# KiCad board HCP65 Single MPU Board.kicad_pcb
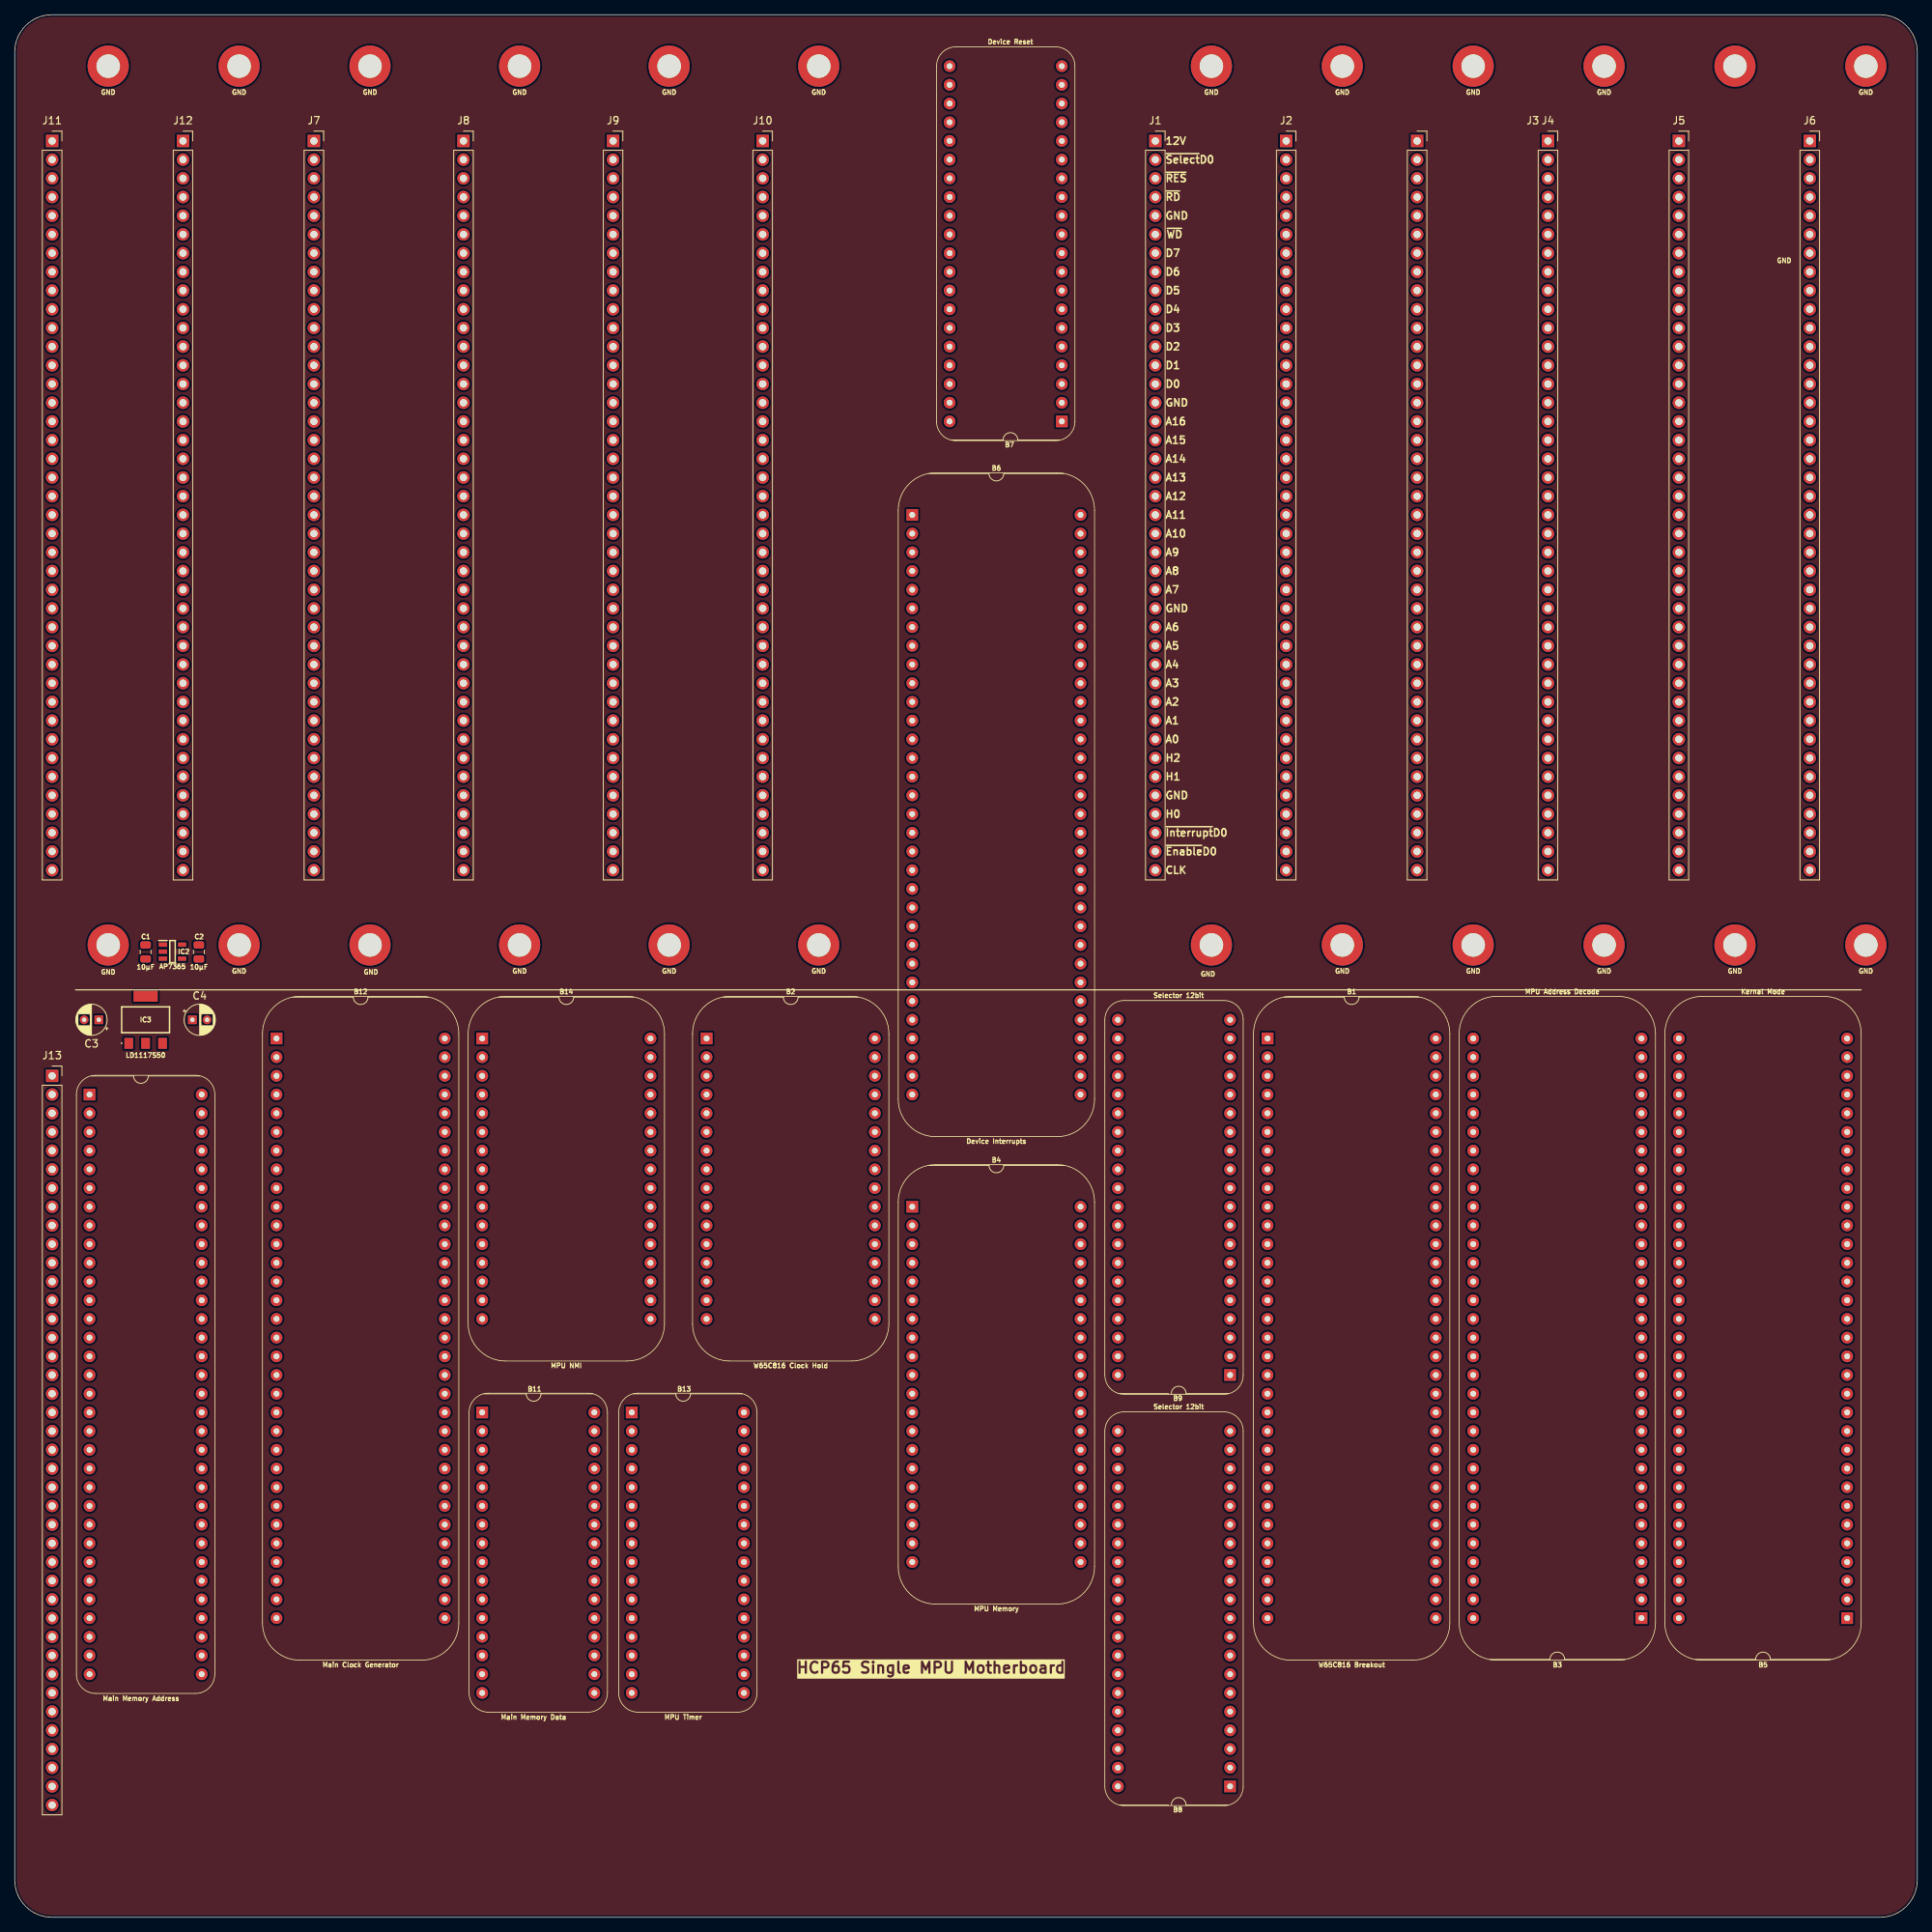
[diagram p0: board, top side]
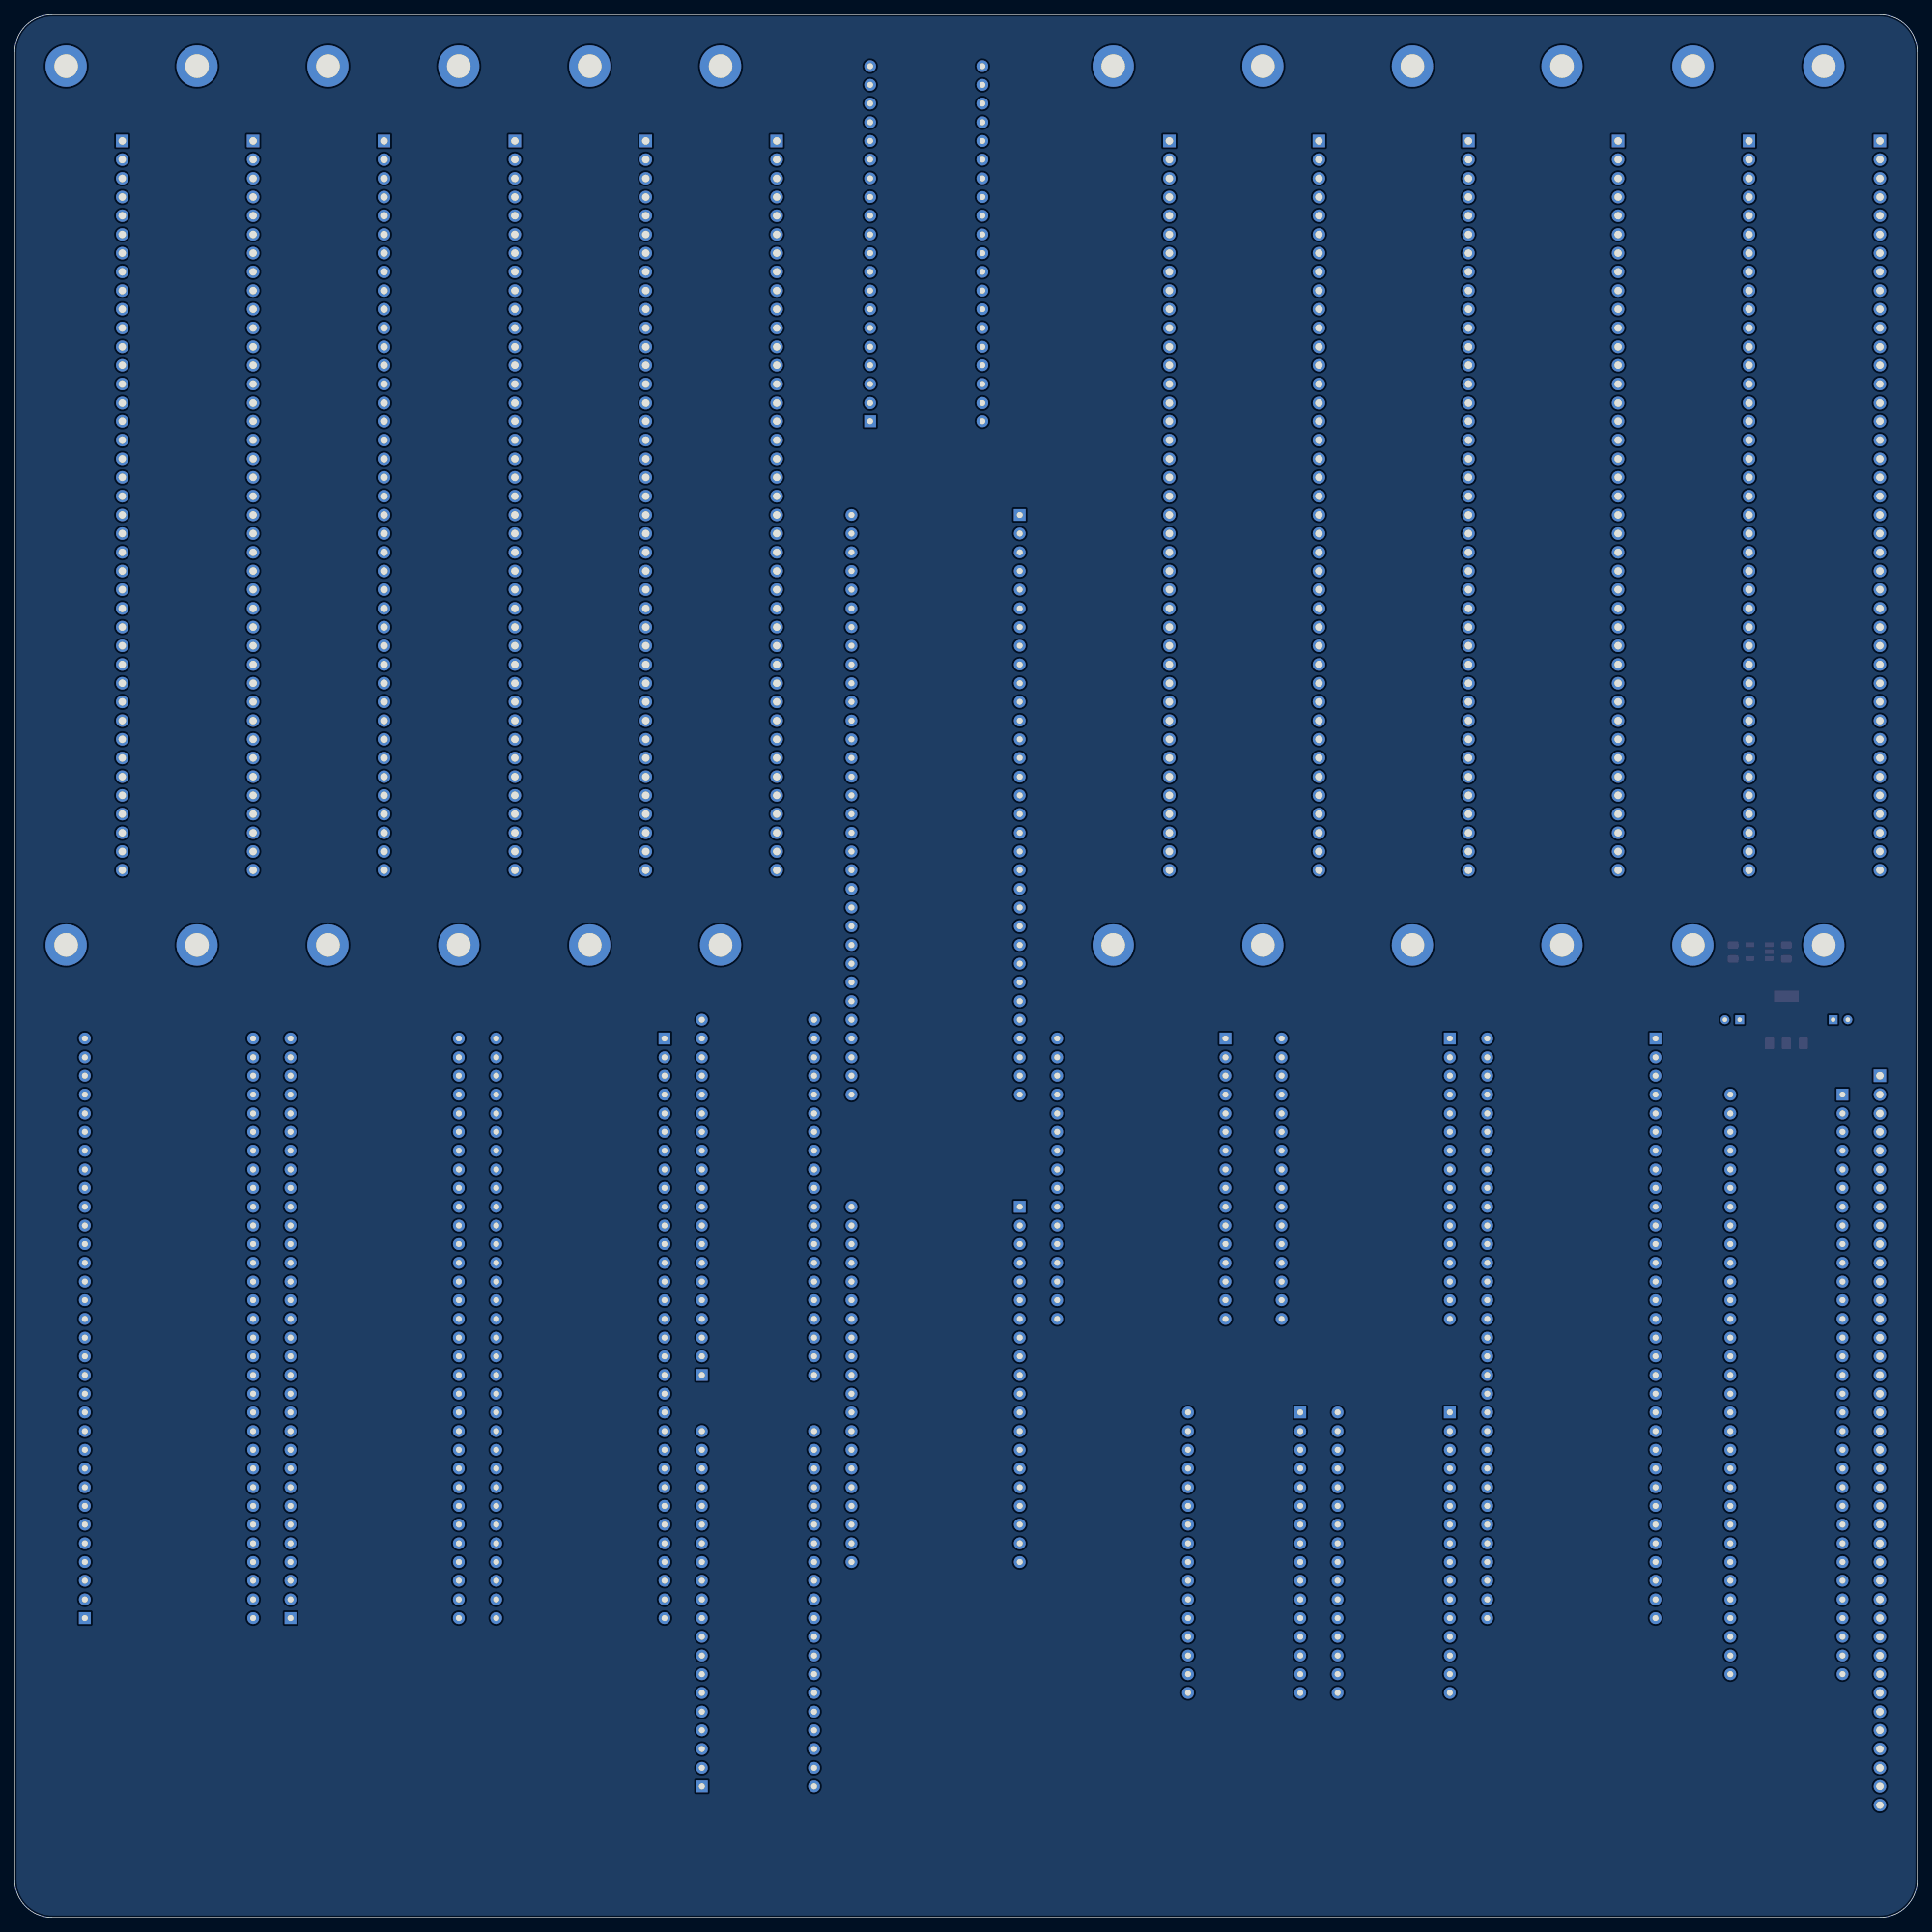
[diagram p1: board, bottom side, seen from below]

Outline 258.44 x 258.44 mm; copper layers: Top, Bottom. Coordinates in mm from the lower left corner of the outline.
Outline path: 0,253.37 arc(1.49,256.96) 5.08,258.44 253.37,258.44 arc(256.96,256.96) 258.44,253.37 258.44,5.08 arc(256.96,1.49) 253.37,0 5.08,0 arc(1.49,1.49) 0,5.08 0,253.37
Stack: Top 0.035mm / dielectric 1.51mm FR4 er 4.5 / Bottom 0.035mm

## Placement (name value [footprint] x y rotation side)
B1  W65C816 Breakout  [HCP65_W65C816_Breakout]  170.18 119.38 0 top
B2  W65C816 Clock Hold  [HCP65_W65C816_Clock_Hold]  93.98 119.38 0 top
B3  MPU Address Decode  [HCP65_MPU_Address_Decode]  220.98 40.64 180 top
B4  MPU Memory  [HCP65_MPU_Memory]  121.92 96.52 0 top
B5  Kernal Mode  [HCP65_Kernal_Mode]  248.92 40.64 180 top
B6  Device Interrupts  [HCP65_Device_Interrupts]  121.92 190.5 0 top
B7  Device Reset  [HCP65_Device_Reset]  142.24 203.2 180 top
B8  Selector 12bit  [HCP65_Selector_12bit]  165.1 17.78 180 top
B9  Selector 12bit  [HCP65_Selector_12bit]  165.1 73.66 180 top
B10  Main Memory Address  [HCP65_Main_Memory_Address]  10.16 111.76 0 top
B11  Main Memory Data  [HCP65_Main_Memory_Data]  63.5 68.58 0 top
B12  Main Clock Generator  [HCP65_Clock_Generator]  35.56 119.38 0 top
B13  MPU Timer  [HCP65_MPU_Timer]  83.82 68.58 0 top
B14  MPU NMI  [HCP65_MPU_NMI]  63.5 119.38 0 top
C1  10µF  [C_0805]  17.78 131.11 0 top
C2  10µF  [C_0805]  25.02 131.11 0 top
C3  C_Polarized  [CP_Radial_D4.0mm_P2.00mm]  11.43 121.92 180 top
C4  C_Polarized  [CP_Radial_D4.0mm_P2.00mm]  24.13 121.92 0 top
H1  MountingHole_Pad  [HCP65_MountingHole_M3_]  12.7 251.46 0 top
H2  MountingHole_Pad  [HCP65_MountingHole_M3_]  12.7 132.08 0 top
H3  MountingHole_Pad  [HCP65_MountingHole_M3_]  30.48 132.08 0 top
H4  MountingHole_Pad  [HCP65_MountingHole_M3_]  30.48 251.46 0 top
H5  MountingHole_Pad  [HCP65_MountingHole_M3_]  48.26 251.46 0 top
H6  MountingHole_Pad  [HCP65_MountingHole_M3_]  48.26 132.08 0 top
H7  MountingHole_Pad  [HCP65_MountingHole_M3_]  68.58 251.46 0 top
H8  MountingHole_Pad  [HCP65_MountingHole_M3_]  162.56 251.46 0 top
H9  MountingHole_Pad  [HCP65_MountingHole_M3_]  198.12 251.46 0 top
H10  MountingHole_Pad  [HCP65_MountingHole_M3_]  215.9 251.46 0 top
H11  MountingHole_Pad  [HCP65_MountingHole_M3_]  233.68 251.46 0 top
H12  MountingHole_Pad  [HCP65_MountingHole_M3_]  180.34 251.46 0 top
H13  MountingHole_Pad  [HCP65_MountingHole_M3_]  88.9 251.46 0 top
H14  MountingHole_Pad  [HCP65_MountingHole_M3_]  251.46 132.08 0 top
H15  MountingHole_Pad  [HCP65_MountingHole_M3_]  215.9 132.08 0 top
H16  MountingHole_Pad  [HCP65_MountingHole_M3_]  180.34 132.08 0 top
H17  MountingHole_Pad  [HCP65_MountingHole_M3_]  162.56 132.08 0 top
H18  MountingHole_Pad  [HCP65_MountingHole_M3_]  251.46 251.46 0 top
H19  MountingHole_Pad  [HCP65_MountingHole_M3_]  109.22 251.46 0 top
H20  MountingHole_Pad  [HCP65_MountingHole_M3_]  233.68 132.08 0 top
H21  MountingHole_Pad  [HCP65_MountingHole_M3_]  198.12 132.08 0 top
H22  MountingHole_Pad  [HCP65_MountingHole_M3_]  68.58 132.08 0 top
H23  MountingHole_Pad  [HCP65_MountingHole_M3_]  88.9 132.08 0 top
H24  MountingHole_Pad  [HCP65_MountingHole_M3_]  109.22 132.08 0 top
IC2  AP7365-33WG-7  [SOT95P285X130-5N]  21.43 131.18 0 top
IC3  LD1117S50C  [LD1117S33C]  17.78 121.92 0 top
J1  Conn_01x40_Socket  [PinSocket_1x40_P2.54mm_Vertical]  154.94 241.3 0 top
J2  Conn_01x40_Socket  [PinSocket_1x40_P2.54mm_Vertical]  172.72 241.3 0 top
J3  Conn_01x40_Socket  [PinSocket_1x40_P2.54mm_Vertical]  190.5 241.3 0 top
J4  Conn_01x40_Socket  [PinSocket_1x40_P2.54mm_Vertical]  208.28 241.3 0 top
J5  Conn_01x40_Socket  [PinSocket_1x40_P2.54mm_Vertical]  226.06 241.3 0 top
J6  Conn_01x40_Socket  [PinSocket_1x40_P2.54mm_Vertical]  243.84 241.3 0 top
J7  Conn_01x40_Socket  [PinSocket_1x40_P2.54mm_Vertical]  40.64 241.3 0 top
J8  Conn_01x40_Socket  [PinSocket_1x40_P2.54mm_Vertical]  60.96 241.3 0 top
J9  Conn_01x40_Socket  [PinSocket_1x40_P2.54mm_Vertical]  81.28 241.3 0 top
J10  Conn_01x40_Socket  [PinSocket_1x40_P2.54mm_Vertical]  101.6 241.3 0 top
J11  Conn_01x40_Socket  [PinSocket_1x40_P2.54mm_Vertical]  5.08 241.3 0 top
J12  Conn_01x40_Socket  [PinSocket_1x40_P2.54mm_Vertical]  22.86 241.3 0 top
J13  Conn_01x40_Socket  [PinSocket_1x40_P2.54mm_Vertical]  5.08 114.3 0 top

## Library data of the parts
C1 C2 = -: Description: Unpolarized capacitor, small symbol
C3 C4 = -: Description: Polarized capacitor
H1-H24 = -: Description: Mounting Hole with connection
IC2 = -: Description: DiodesZetex AP7365-33WG-7, LDO Voltage Regulator, 600mA, 3.3 V +/-2%, 2  6 Vin, 5-Pin SOT-25; Arrow Price/Stock: https://www.arrow.com/en/products/ap7365-33wg-7/diodes-incorporated?region=nac; Height: 1.3; Manufacturer_Name: Diodes Inc.; Mouser Part Number: 621-AP7365-33WG-7; Mouser Price/Stock: https://www.mouser.co.uk/ProductDetail/Diodes-Incorporated/AP7365-33WG-7?qs=abZ1nkZpTuOZFvxvoFPL0w%3D%3D; Silkscreen: AP7365
IC3 = -: Description: IC: voltage regulator; LDO, linear, fixed; 5.0V; 0.95A; SOT223; SMD; Height: 1.8; Manufacturer_Name: STMicroelectronics; Silkscreen: LD1117S50
J1-J13 = -: Description: Generic connector, single row, 01x40, script generated

## Footprints (pads in the part's own frame, mm; a bottom-side part is the same pattern mirrored in y, then rotated)
C_0805
  rrect 1.45x1 smd: 1(0,-0.934) 2(0,0.966)
CP_Radial_D4.0mm_P2.00mm
  rect 1.2x1.2 hole 0.6: 1(0,0)
  round 1.2 hole 0.6: 2(2,0)
HCP65_Clock_Generator
  rect 1.6x1.6 hole 0.8: 1(0,0)
  oval 1.6x1.6 hole 0.8: 2(0,-2.54) 3(0,-5.08) 4(0,-7.62) 5(0,-10.16) 6(0,-12.7) 7(0,-15.24) 8(0,-17.78) 9(0,-20.32) 10(0,-22.86) 11(0,-25.4) 12(0,-27.94) 13(0,-30.48) 14(0,-33.02) 15(0,-35.56) 16(0,-38.1) 17(0,-40.64) 18(0,-43.18) 19(0,-45.72) 20(0,-48.26) 21(0,-50.8) 22(0,-53.34) 23(0,-55.88) 24(0,-58.42) 25(0,-60.96) 26(0,-63.5) 27(0,-66.04) 28(0,-68.58) 29(0,-71.12) 30(0,-73.66) 31(0,-76.2) 32(0,-78.74) 33(22.86,-78.74) 34(22.86,-76.2) 35(22.86,-73.66) 36(22.86,-71.12) 37(22.86,-68.58) 38(22.86,-66.04) 39(22.86,-63.5) 40(22.86,-60.96) 41(22.86,-58.42) 42(22.86,-55.88) 43(22.86,-53.34) 44(22.86,-50.8) 45(22.86,-48.26) 46(22.86,-45.72) 47(22.86,-43.18) 48(22.86,-40.64) 49(22.86,-38.1) 50(22.86,-35.56) 51(22.86,-33.02) 52(22.86,-30.48) 53(22.86,-27.94) 54(22.86,-25.4) 55(22.86,-22.86) 56(22.86,-20.32) 57(22.86,-17.78) 58(22.86,-15.24) 59(22.86,-12.7) 60(22.86,-10.16) 61(22.86,-7.62) 62(22.86,-5.08) 63(22.86,-2.54) 64(22.86,0)
HCP65_Device_Interrupts
  rect 1.6x1.6 hole 0.8: 1(0,0)
  oval 1.6x1.6 hole 0.8: 2(0,-2.54) 3(0,-5.08) 4(0,-7.62) 5(0,-10.16) 6(0,-12.7) 7(0,-15.24) 8(0,-17.78) 9(0,-20.32) 10(0,-22.86) 11(0,-25.4) 12(0,-27.94) 13(0,-30.48) 14(0,-33.02) 15(0,-35.56) 16(0,-38.1) 17(0,-40.64) 18(0,-43.18) 19(0,-45.72) 20(0,-48.26) 21(0,-50.8) 22(0,-53.34) 23(0,-55.88) 24(0,-58.42) 25(0,-60.96) 26(0,-63.5) 27(0,-66.04) 28(0,-68.58) 29(0,-71.12) 30(0,-73.66) 31(0,-76.2) 32(0,-78.74) 33(22.86,-78.74) 34(22.86,-76.2) 35(22.86,-73.66) 36(22.86,-71.12) 37(22.86,-68.58) 38(22.86,-66.04) 39(22.86,-63.5) 40(22.86,-60.96) 41(22.86,-58.42) 42(22.86,-55.88) 43(22.86,-53.34) 44(22.86,-50.8) 45(22.86,-48.26) 46(22.86,-45.72) 47(22.86,-43.18) 48(22.86,-40.64) 49(22.86,-38.1) 50(22.86,-35.56) 51(22.86,-33.02) 52(22.86,-30.48) 53(22.86,-27.94) 54(22.86,-25.4) 55(22.86,-22.86) 56(22.86,-20.32) 57(22.86,-17.78) 58(22.86,-15.24) 59(22.86,-12.7) 60(22.86,-10.16) 61(22.86,-7.62) 62(22.86,-5.08) 63(22.86,-2.54) 64(22.86,0)
HCP65_Device_Reset
  rect 1.6x1.6 hole 0.8: 1(0,0)
  oval 1.6x1.6 hole 0.8: 2(0,-2.54) 3(0,-5.08) 4(0,-7.62) 5(0,-10.16) 6(0,-12.7) 7(0,-15.24) 8(0,-17.78) 9(0,-20.32) 10(0,-22.86) 11(0,-25.4) 12(0,-27.94) 13(0,-30.48) 14(0,-33.02) 15(0,-35.56) 16(0,-38.1) 17(0,-40.64) 18(0,-43.18) 19(0,-45.72) 20(0,-48.26) 21(15.24,-48.26) 22(15.24,-45.72) 23(15.24,-43.18) 24(15.24,-40.64) 25(15.24,-38.1) 26(15.24,-35.56) 27(15.24,-33.02) 28(15.24,-30.48) 29(15.24,-27.94) 30(15.24,-25.4) 31(15.24,-22.86) 32(15.24,-20.32) 33(15.24,-17.78) 34(15.24,-15.24) 35(15.24,-12.7) 36(15.24,-10.16) 37(15.24,-7.62) 38(15.24,-5.08) 39(15.24,-2.54) 40(15.24,0)
HCP65_Kernal_Mode
  rect 1.6x1.6 hole 0.8: 1(0,0)
  oval 1.6x1.6 hole 0.8: 2(0,-2.54) 3(0,-5.08) 4(0,-7.62) 5(0,-10.16) 6(0,-12.7) 7(0,-15.24) 8(0,-17.78) 9(0,-20.32) 10(0,-22.86) 11(0,-25.4) 12(0,-27.94) 13(0,-30.48) 14(0,-33.02) 15(0,-35.56) 16(0,-38.1) 17(0,-40.64) 18(0,-43.18) 19(0,-45.72) 20(0,-48.26) 21(0,-50.8) 22(0,-53.34) 23(0,-55.88) 24(0,-58.42) 25(0,-60.96) 26(0,-63.5) 27(0,-66.04) 28(0,-68.58) 29(0,-71.12) 30(0,-73.66) 31(0,-76.2) 32(0,-78.74) 33(22.86,-78.74) 34(22.86,-76.2) 35(22.86,-73.66) 36(22.86,-71.12) 37(22.86,-68.58) 38(22.86,-66.04) 39(22.86,-63.5) 40(22.86,-60.96) 41(22.86,-58.42) 42(22.86,-55.88) 43(22.86,-53.34) 44(22.86,-50.8) 45(22.86,-48.26) 46(22.86,-45.72) 47(22.86,-43.18) 48(22.86,-40.64) 49(22.86,-38.1) 50(22.86,-35.56) 51(22.86,-33.02) 52(22.86,-30.48) 53(22.86,-27.94) 54(22.86,-25.4) 55(22.86,-22.86) 56(22.86,-20.32) 57(22.86,-17.78) 58(22.86,-15.24) 59(22.86,-12.7) 60(22.86,-10.16) 61(22.86,-7.62) 62(22.86,-5.08) 63(22.86,-2.54) 64(22.86,0)
HCP65_Main_Memory_Address
  rect 1.6x1.6 hole 0.8: 1(0,0)
  oval 1.6x1.6 hole 0.8: 2(0,-2.54) 3(0,-5.08) 4(0,-7.62) 5(0,-10.16) 6(0,-12.7) 7(0,-15.24) 8(0,-17.78) 9(0,-20.32) 10(0,-22.86) 11(0,-25.4) 12(0,-27.94) 13(0,-30.48) 14(0,-33.02) 15(0,-35.56) 16(0,-38.1) 17(0,-40.64) 18(0,-43.18) 19(0,-45.72) 20(0,-48.26) 21(0,-50.8) 22(0,-53.34) 23(0,-55.88) 24(0,-58.42) 25(0,-60.96) 26(0,-63.5) 27(0,-66.04) 28(0,-68.58) 29(0,-71.12) 30(0,-73.66) 31(0,-76.2) 32(0,-78.74) 33(15.24,-78.74) 34(15.24,-76.2) 35(15.24,-73.66) 36(15.24,-71.12) 37(15.24,-68.58) 38(15.24,-66.04) 39(15.24,-63.5) 40(15.24,-60.96) 41(15.24,-58.42) 42(15.24,-55.88) 43(15.24,-53.34) 44(15.24,-50.8) 45(15.24,-48.26) 46(15.24,-45.72) 47(15.24,-43.18) 48(15.24,-40.64) 49(15.24,-38.1) 50(15.24,-35.56) 51(15.24,-33.02) 52(15.24,-30.48) 53(15.24,-27.94) 54(15.24,-25.4) 55(15.24,-22.86) 56(15.24,-20.32) 57(15.24,-17.78) 58(15.24,-15.24) 59(15.24,-12.7) 60(15.24,-10.16) 61(15.24,-7.62) 62(15.24,-5.08) 63(15.24,-2.54) 64(15.24,0)
HCP65_Main_Memory_Data
  rect 1.6x1.6 hole 0.8: 1(0,0)
  oval 1.6x1.6 hole 0.8: 2(0,-2.54) 3(0,-5.08) 4(0,-7.62) 5(0,-10.16) 6(0,-12.7) 7(0,-15.24) 8(0,-17.78) 9(0,-20.32) 10(0,-22.86) 11(0,-25.4) 12(0,-27.94) 13(0,-30.48) 14(0,-33.02) 15(0,-35.56) 16(0,-38.1) 17(15.24,-38.1) 18(15.24,-35.56) 19(15.24,-33.02) 20(15.24,-30.48) 21(15.24,-27.94) 22(15.24,-25.4) 23(15.24,-22.86) 24(15.24,-20.32) 25(15.24,-17.78) 26(15.24,-15.24) 27(15.24,-12.7) 28(15.24,-10.16) 29(15.24,-7.62) 30(15.24,-5.08) 31(15.24,-2.54) 32(15.24,0)
HCP65_MountingHole_M3_
  round 5.6 hole 3.2: 1(0,0)
HCP65_MPU_Address_Decode
  rect 1.6x1.6 hole 0.8: 1(0,0)
  oval 1.6x1.6 hole 0.8: 2(0,-2.54) 3(0,-5.08) 4(0,-7.62) 5(0,-10.16) 6(0,-12.7) 7(0,-15.24) 8(0,-17.78) 9(0,-20.32) 10(0,-22.86) 11(0,-25.4) 12(0,-27.94) 13(0,-30.48) 14(0,-33.02) 15(0,-35.56) 16(0,-38.1) 17(0,-40.64) 18(0,-43.18) 19(0,-45.72) 20(0,-48.26) 21(0,-50.8) 22(0,-53.34) 23(0,-55.88) 24(0,-58.42) 25(0,-60.96) 26(0,-63.5) 27(0,-66.04) 28(0,-68.58) 29(0,-71.12) 30(0,-73.66) 31(0,-76.2) 32(0,-78.74) 33(22.86,-78.74) 34(22.86,-76.2) 35(22.86,-73.66) 36(22.86,-71.12) 37(22.86,-68.58) 38(22.86,-66.04) 39(22.86,-63.5) 40(22.86,-60.96) 41(22.86,-58.42) 42(22.86,-55.88) 43(22.86,-53.34) 44(22.86,-50.8) 45(22.86,-48.26) 46(22.86,-45.72) 47(22.86,-43.18) 48(22.86,-40.64) 49(22.86,-38.1) 50(22.86,-35.56) 51(22.86,-33.02) 52(22.86,-30.48) 53(22.86,-27.94) 54(22.86,-25.4) 55(22.86,-22.86) 56(22.86,-20.32) 57(22.86,-17.78) 58(22.86,-15.24) 59(22.86,-12.7) 60(22.86,-10.16) 61(22.86,-7.62) 62(22.86,-5.08) 63(22.86,-2.54) 64(22.86,0)
HCP65_MPU_Memory
  rect 1.6x1.6 hole 0.8: 1(0,0)
  oval 1.6x1.6 hole 0.8: 2(0,-2.54) 3(0,-5.08) 4(0,-7.62) 5(0,-10.16) 6(0,-12.7) 7(0,-15.24) 8(0,-17.78) 9(0,-20.32) 10(0,-22.86) 11(0,-25.4) 12(0,-27.94) 13(0,-30.48) 14(0,-33.02) 15(0,-35.56) 16(0,-38.1) 17(0,-40.64) 18(0,-43.18) 19(0,-45.72) 20(0,-48.26) 21(22.86,-48.26) 22(22.86,-45.72) 23(22.86,-43.18) 24(22.86,-40.64) 25(22.86,-38.1) 26(22.86,-35.56) 27(22.86,-33.02) 28(22.86,-30.48) 29(22.86,-27.94) 30(22.86,-25.4) 31(22.86,-22.86) 32(22.86,-20.32) 33(22.86,-17.78) 34(22.86,-15.24) 35(22.86,-12.7) 36(22.86,-10.16) 37(22.86,-7.62) 38(22.86,-5.08) 39(22.86,-2.54) 40(22.86,0)
HCP65_MPU_NMI
  rect 1.6x1.6 hole 0.8: 1(0,0)
  oval 1.6x1.6 hole 0.8: 2(0,-2.54) 3(0,-5.08) 4(0,-7.62) 5(0,-10.16) 6(0,-12.7) 7(0,-15.24) 8(0,-17.78) 9(0,-20.32) 10(0,-22.86) 11(0,-25.4) 12(0,-27.94) 13(0,-30.48) 14(0,-33.02) 15(0,-35.56) 16(0,-38.1) 17(22.86,-38.1) 18(22.86,-35.56) 19(22.86,-33.02) 20(22.86,-30.48) 21(22.86,-27.94) 22(22.86,-25.4) 23(22.86,-22.86) 24(22.86,-20.32) 25(22.86,-17.78) 26(22.86,-15.24) 27(22.86,-12.7) 28(22.86,-10.16) 29(22.86,-7.62) 30(22.86,-5.08) 31(22.86,-2.54) 32(22.86,0)
HCP65_MPU_Timer
  rect 1.6x1.6 hole 0.8: 1(0,0)
  oval 1.6x1.6 hole 0.8: 2(0,-2.54) 3(0,-5.08) 4(0,-7.62) 5(0,-10.16) 6(0,-12.7) 7(0,-15.24) 8(0,-17.78) 9(0,-20.32) 10(0,-22.86) 11(0,-25.4) 12(0,-27.94) 13(0,-30.48) 14(0,-33.02) 15(0,-35.56) 16(0,-38.1) 17(15.24,-38.1) 18(15.24,-35.56) 19(15.24,-33.02) 20(15.24,-30.48) 21(15.24,-27.94) 22(15.24,-25.4) 23(15.24,-22.86) 24(15.24,-20.32) 25(15.24,-17.78) 26(15.24,-15.24) 27(15.24,-12.7) 28(15.24,-10.16) 29(15.24,-7.62) 30(15.24,-5.08) 31(15.24,-2.54) 32(15.24,0)
HCP65_Selector_12bit
  rect 1.6x1.6 hole 0.8: 1(0,0)
  oval 1.6x1.6 hole 0.8: 2(0,-2.54) 3(0,-5.08) 4(0,-7.62) 5(0,-10.16) 6(0,-12.7) 7(0,-15.24) 8(0,-17.78) 9(0,-20.32) 10(0,-22.86) 11(0,-25.4) 12(0,-27.94) 13(0,-30.48) 14(0,-33.02) 15(0,-35.56) 16(0,-38.1) 17(0,-40.64) 18(0,-43.18) 19(0,-45.72) 20(0,-48.26) 21(15.24,-48.26) 22(15.24,-45.72) 23(15.24,-43.18) 24(15.24,-40.64) 25(15.24,-38.1) 26(15.24,-35.56) 27(15.24,-33.02) 28(15.24,-30.48) 29(15.24,-27.94) 30(15.24,-25.4) 31(15.24,-22.86) 32(15.24,-20.32) 33(15.24,-17.78) 34(15.24,-15.24) 35(15.24,-12.7) 36(15.24,-10.16) 37(15.24,-7.62) 38(15.24,-5.08) 39(15.24,-2.54) 40(15.24,0)
HCP65_W65C816_Breakout
  rect 1.6x1.6 hole 0.8: 1(0,0)
  oval 1.6x1.6 hole 0.8: 2(0,-2.54) 3(0,-5.08) 4(0,-7.62) 5(0,-10.16) 6(0,-12.7) 7(0,-15.24) 8(0,-17.78) 9(0,-20.32) 10(0,-22.86) 11(0,-25.4) 12(0,-27.94) 13(0,-30.48) 14(0,-33.02) 15(0,-35.56) 16(0,-38.1) 17(0,-40.64) 18(0,-43.18) 19(0,-45.72) 20(0,-48.26) 21(0,-50.8) 22(0,-53.34) 23(0,-55.88) 24(0,-58.42) 25(0,-60.96) 26(0,-63.5) 27(0,-66.04) 28(0,-68.58) 29(0,-71.12) 30(0,-73.66) 31(0,-76.2) 32(0,-78.74) 33(22.86,-78.74) 34(22.86,-76.2) 35(22.86,-73.66) 36(22.86,-71.12) 37(22.86,-68.58) 38(22.86,-66.04) 39(22.86,-63.5) 40(22.86,-60.96) 41(22.86,-58.42) 42(22.86,-55.88) 43(22.86,-53.34) 44(22.86,-50.8) 45(22.86,-48.26) 46(22.86,-45.72) 47(22.86,-43.18) 48(22.86,-40.64) 49(22.86,-38.1) 50(22.86,-35.56) 51(22.86,-33.02) 52(22.86,-30.48) 53(22.86,-27.94) 54(22.86,-25.4) 55(22.86,-22.86) 56(22.86,-20.32) 57(22.86,-17.78) 58(22.86,-15.24) 59(22.86,-12.7) 60(22.86,-10.16) 61(22.86,-7.62) 62(22.86,-5.08) 63(22.86,-2.54) 64(22.86,0)
HCP65_W65C816_Clock_Hold
  rect 1.6x1.6 hole 0.8: 1(0,0)
  oval 1.6x1.6 hole 0.8: 2(0,-2.54) 3(0,-5.08) 4(0,-7.62) 5(0,-10.16) 6(0,-12.7) 7(0,-15.24) 8(0,-17.78) 9(0,-20.32) 10(0,-22.86) 11(0,-25.4) 12(0,-27.94) 13(0,-30.48) 14(0,-33.02) 15(0,-35.56) 16(0,-38.1) 17(22.86,-38.1) 18(22.86,-35.56) 19(22.86,-33.02) 20(22.86,-30.48) 21(22.86,-27.94) 22(22.86,-25.4) 23(22.86,-22.86) 24(22.86,-20.32) 25(22.86,-17.78) 26(22.86,-15.24) 27(22.86,-12.7) 28(22.86,-10.16) 29(22.86,-7.62) 30(22.86,-5.08) 31(22.86,-2.54) 32(22.86,0)
LD1117S33C
  rect 1.2x1.5 smd: 1(-2.3,-3.2) 2(0,-3.2) 3(2.3,-3.2)
  rect 3.3x1.5 smd: 4(0,3.2)
PinSocket_1x40_P2.54mm_Vertical
  rect 1.7x1.7 hole 1: 1(0,0)
  oval 1.7x1.7 hole 1: 2(0,-2.54) 3(0,-5.08) 4(0,-7.62) 5(0,-10.16) 6(0,-12.7) 7(0,-15.24) 8(0,-17.78) 9(0,-20.32) 10(0,-22.86) 11(0,-25.4) 12(0,-27.94) 13(0,-30.48) 14(0,-33.02) 15(0,-35.56) 16(0,-38.1) 17(0,-40.64) 18(0,-43.18) 19(0,-45.72) 20(0,-48.26) 21(0,-50.8) 22(0,-53.34) 23(0,-55.88) 24(0,-58.42) 25(0,-60.96) 26(0,-63.5) 27(0,-66.04) 28(0,-68.58) 29(0,-71.12) 30(0,-73.66) 31(0,-76.2) 32(0,-78.74) 33(0,-81.28) 34(0,-83.82) 35(0,-86.36) 36(0,-88.9) 37(0,-91.44) 38(0,-93.98) 39(0,-96.52) 40(0,-99.06)
SOT95P285X130-5N
  rect 1.15x0.6 smd: 1(-1.3,0.95) 2(-1.3,0) 3(-1.3,-0.95) 4(1.3,-0.95) 5(1.3,0.95)

## Nets
/3.3V: B1.20 B1.21 B1.44 B2.2 B2.3 B9.4 B9.5 B9.8 B9.9 B9.10 B14.29 B14.30 B14.31 C2.1 IC2.5
/5V: B1.3 B1.35 B2.1 B2.17 B3.3 B3.35 B4.3 B4.23 B5.3 B5.35 B6.3 B6.35 B7.3 B7.23 B8.20 B9.20 B10.3 B10.35 B11.1 B11.17 B12.3 B12.35 B13.1 B13.17 B14.1 B14.17 C1.1 C3.1 IC2.1 IC2.3 IC3.2
/12V: C4.1 IC3.3 J1.1 J2.1 J3.1 J4.1 J5.1 J6.1 J7.1 J8.1 J9.1 J10.1 J11.1 J12.1 J13.1
/GND: B1.10 B1.23 B1.42 B1.55 B2.5 B2.12 B2.15 B2.21 B2.28 B3.10 B3.23 B3.42 B3.55 B4.7 B4.14 B4.27 B4.34 B5.10 B5.23 B5.42 B5.55 B6.10 B6.23 B6.42 B6.55 B7.7 B7.14 B7.27 B7.34 B8.1 B8.40 B9.1 B9.3 B9.6 B9.7 B9.19 B9.40 B10.10 B10.23 B10.30 B10.42 B10.55 B11.5 B11.12 B11.21 B11.28 B12.10 B12.12 B12.14 B12.18 B12.20 B12.22 B12.23 B12.42 B12.43 B12.45 B12.47 B12.51 B12.53 B12.55 B13.5 B13.12 B13.21 B13.28 B14.5 B14.12 B14.21 B14.28 C1.2 C2.2 C3.2 C4.2 H1.1 H2.1 H3.1 H4.1 H5.1 H6.1 H7.1 H8.1 H9.1 H10.1 H11.1 H12.1 H13.1 H14.1 H15.1 H16.1 H17.1 H18.1 H19.1 H20.1 H21.1 H22.1 H23.1 H24.1 IC2.2 IC3.1 J1.5 J1.15 J1.26 J1.36 J2.5 J2.15 J2.26 J2.36 J3.5 J3.15 J3.26 J3.36 J4.5 J4.15 J4.26 J4.36 J5.5 J5.15 J5.26 J5.36 J6.5 J6.15 J6.26 J6.36 J7.5 J7.15 J7.26 J7.36 J8.5 J8.15 J8.26 J8.36 J9.5 J9.15 J9.26 J9.36 J10.5 J10.15 J10.26 J10.36 J11.5 J11.15 J11.26 J11.36 J12.5 J12.15 J12.26 J12.36 J13.5 J13.15 J13.26 J13.36
/A0: B1.1 B3.64 B8.14 B10.32 J1.33 J2.33 J3.33 J4.33 J5.33 J6.33 J7.33 J8.33 J9.33 J10.33 J11.33 J12.33
/A1: B1.2 B3.63 B8.13 B10.31 J1.32 J2.32 J3.32 J4.32 J5.32 J6.32 J7.32 J8.32 J9.32 J10.32 J11.32 J12.32
/A2: B1.5 B3.60 B8.12 B10.29 J1.31 J2.31 J3.31 J4.31 J5.31 J6.31 J7.31 J8.31 J9.31 J10.31 J11.31 J12.31
/A3: B1.6 B3.59 B8.11 B10.28 J1.30 J2.30 J3.30 J4.30 J5.30 J6.30 J7.30 J8.30 J9.30 J10.30 J11.30 J12.30
/A4: B1.7 B8.10 B10.27 J1.29 J2.29 J3.29 J4.29 J5.29 J6.29 J7.29 J8.29 J9.29 J10.29 J11.29 J12.29
/A5: B1.8 B8.9 B10.26 J1.28 J2.28 J3.28 J4.28 J5.28 J6.28 J7.28 J8.28 J9.28 J10.28 J11.28 J12.28
/A6: B1.9 B8.8 B10.25 J1.27 J2.27 J3.27 J4.27 J5.27 J6.27 J7.27 J8.27 J9.27 J10.27 J11.27 J12.27
/A7: B1.11 B8.7 B10.24 J1.25 J2.25 J3.25 J4.25 J5.25 J6.25 J7.25 J8.25 J9.25 J10.25 J11.25 J12.25
/A8: B1.12 B8.6 B10.22 J1.24 J2.24 J3.24 J4.24 J5.24 J6.24 J7.24 J8.24 J9.24 J10.24 J11.24 J12.24
/A9: B1.13 B8.5 B10.21 J1.23 J2.23 J3.23 J4.23 J5.23 J6.23 J7.23 J8.23 J9.23 J10.23 J11.23 J12.23
/A10: B1.14 B8.4 B10.20 J1.22 J2.22 J3.22 J4.22 J5.22 J6.22 J7.22 J8.22 J9.22 J10.22 J11.22 J12.22
/A11: B1.15 B8.3 B10.19 J1.21 J2.21 J3.21 J4.21 J5.21 J6.21 J7.21 J8.21 J9.21 J10.21 J11.21 J12.21
/A12: B1.16 B9.27 B10.18 J1.20 J2.20 J3.20 J4.20 J5.20 J6.20 J7.20 J8.20 J9.20 J10.20 J11.20 J12.20
/A13: B1.17 B9.26 B10.17 J1.19 J2.19 J3.19 J4.19 J5.19 J6.19 J7.19 J8.19 J9.19 J10.19 J11.19 J12.19
/A14: B1.18 B9.25 B10.16 J1.18 J2.18 J3.18 J4.18 J5.18 J6.18 J7.18 J8.18 J9.18 J10.18 J11.18 J12.18
/A15: B1.19 B3.47 B9.24 B10.15 J1.17 J2.17 J3.17 J4.17 J5.17 J6.17 J7.17 J8.17 J9.17 J10.17 J11.17 J12.17
/A16: B5.53 B10.14 J1.16 J2.16 J3.16 J4.16 J5.16 J6.16 J7.16 J8.16 J9.16 J10.16 J11.16 J12.16
/A17: B5.52 B10.13
/A18: B5.51 B10.12
/A19: B5.50 B10.11
/A20: B5.49 B10.9
/A21: B5.48 B10.8
/A22: B5.47 B10.7
/A23: B5.46 B10.6
/BA0: B1.38 B3.46 B5.15 B8.27 B9.23
/BA1: B1.37 B3.45 B5.16 B8.26 B9.22
/BA2: B1.34 B3.44 B5.17 B8.25 B9.21
/BA3: B1.36 B3.43 B5.18 B8.24
/BA4: B1.29 B3.41 B5.19 B8.23
/BA5: B1.28 B3.40 B5.20 B8.22
/BA6: B1.27 B3.39 B5.21 B8.21
/BA7: B1.26 B3.38 B5.22 B8.19
/CLK: B2.4 B7.21 B13.6 J1.40 J2.40 J3.40 J4.40 J5.40 J6.40 J7.40 J8.40 J9.40 J10.40 J11.40 J12.40
/CLK_{IN}: B2.7 B12.11
/D0: B1.53 B4.10 B5.33 B6.11 B7.11 B11.15 B13.16 B14.16 J1.14 J2.14 J3.14 J4.14 J5.14 J6.14 J7.14 J8.14 J9.14 J10.14 J11.14 J12.14
/D1: B1.52 B4.11 B5.34 B6.12 B7.12 B11.13 B13.15 B14.15 J1.13 J2.13 J3.13 J4.13 J5.13 J6.13 J7.13 J8.13 J9.13 J10.13 J11.13 J12.13
/D2: B1.51 B4.12 B5.36 B6.13 B7.13 B11.14 B13.13 B14.13 J1.12 J2.12 J3.12 J4.12 J5.12 J6.12 J7.12 J8.12 J9.12 J10.12 J11.12 J12.12
/D3: B1.50 B4.13 B5.37 B6.14 B7.15 B11.11 B13.14 B14.14 J1.11 J2.11 J3.11 J4.11 J5.11 J6.11 J7.11 J8.11 J9.11 J10.11 J11.11 J12.11
/D4: B1.49 B4.28 B5.38 B6.15 B7.16 B11.10 B13.11 B14.11 J1.10 J2.10 J3.10 J4.10 J5.10 J6.10 J7.10 J8.10 J9.10 J10.10 J11.10 J12.10
/D5: B1.48 B4.29 B5.39 B6.16 B7.17 B11.9 B13.10 B14.10 J1.9 J2.9 J3.9 J4.9 J5.9 J6.9 J7.9 J8.9 J9.9 J10.9 J11.9 J12.9
/D6: B1.47 B4.30 B5.40 B6.17 B7.18 B11.8 B13.9 B14.9 J1.8 J2.8 J3.8 J4.8 J5.8 J6.8 J7.8 J8.8 J9.8 J10.8 J11.8 J12.8
/D7: B1.46 B4.31 B5.41 B6.18 B7.19 B11.7 B13.8 B14.8 J1.7 J2.7 J3.7 J4.7 J5.7 J6.7 J7.7 J8.7 J9.7 J10.7 J11.7 J12.7
/Enter Interrupt: B5.62 B14.27
/H0: B2.23 B4.38 J1.37 J2.37 J3.37 J4.37 J5.37 J6.37 J7.37 J8.37 J9.37 J10.37 J11.37 J12.37
/H1: B2.22 B4.39 J1.35 J2.35 J3.35 J4.35 J5.35 J6.35 J7.35 J8.35 J9.35 J10.35 J11.35 J12.35
/H2: B2.14 B4.40 J1.34 J2.34 J3.34 J4.34 J5.34 J6.34 J7.34 J8.34 J9.34 J10.34 J11.34 J12.34
/Kernal Mode: B3.61 B5.56
/MA0: B10.33 J13.31
/MA1: B10.34 J13.30
/MA2: B10.36 J13.29
/MA3: B10.37 J13.28
/MA4: B10.38 J13.27
/MA5: B10.39 J13.25
/MA6: B10.40 J13.24
/MA7: B10.41 J13.23
/MA8: B10.43 J13.22
/MA9: B10.44 J13.21
/MA10: B10.45 J13.20
/MA11: B10.46 J13.19
/MA12: B10.47 J13.18
/MA13: B10.48 J13.17
/MA14: B10.49 J13.16
/MA15: B10.50 J13.14
/MA16: B10.51 J13.13
/MA17: B10.52 J13.12
/MA18: B10.53 J13.11
/MA19: B10.54 J13.10
/MA20: B10.56 J13.9
/MA21: B10.57 J13.8
/MA22: B10.58 J13.7
/MA23: B10.59 J13.6
/MD0: B11.18 J13.40
/MD1: B11.19 J13.39
/MD2: B11.20 J13.38
/MD3: B11.22 J13.37
/MD4: B11.23 J13.35
/MD5: B11.24 J13.34
/MD6: B11.25 J13.33
/MD7: B11.26 J13.32
/M~{Main}: B10.63 J13.2
/M~{RD}: B10.61 J13.3
/M~{WD}: B10.60 J13.4
/Native Latch: B1.57 B3.58 B5.2
/Opcode Valid: B1.4 B5.64
/PHI2: B1.39 B1.45 B2.32
/RTI: B5.63 B14.26
/SA0: B4.8 B8.28
/SA1: B4.6 B8.29
/SA2: B4.5 B8.30
/SA3: B4.4 B8.31
/SA4: B4.2 B8.32
/SA5: B4.37 B8.33
/SA6: B4.36 B8.34
/SA7: B4.35 B8.35
/SA8: B4.33 B8.36
/SA9: B4.26 B8.37
/SA10: B4.25 B8.38
/SA11: B4.24 B8.39
/SA12: B4.22 B9.28
/SA13: B4.21 B9.29
/SA14: B4.20 B9.30
/SA15: B4.19 B9.31
/SA16: B4.18 B9.32
/SA17: B4.17 B9.33
/SA18: B4.16 B9.34
/S~{RAM_{CS}}: B4.9 B9.39
/S~{RD}: B4.32 B9.36
/S~{ROM_{CS}}: B4.1 B9.38
/S~{WD}: B4.15 B9.37
/UP0: B5.32 B8.18
/UP1: B5.31 B8.17
/UP2: B5.30 B8.16
/UP3: B5.29 B8.15
/UP4: B5.28 B9.14
/UP5: B5.27 B9.13
/UP6: B5.26 B9.12
/UP7: B5.25 B9.11
/~{CLK}: B2.6 B8.2 B9.2
/~{Device Enable}_{ 1..7}: B3.29 B6.22 B7.25
/~{Device Enable}_{ 8..15}: B3.28 B6.24 B7.24
/~{Device Enable}_{ 16..19}: B3.31 B6.25 B7.22
/~{Device Interrupt}_{ 1..7}: B3.25 B6.19
/~{Device Interrupt}_{ 8..15}: B3.27 B6.20
/~{Device Interrupt}_{ 16..19}: B3.26 B6.21
/~{Enable}_{Device}1: B6.48 J1.39
/~{Enable}_{Device}2: B6.47 J2.39
/~{Enable}_{Device}3: B6.46 J4.39
/~{Enable}_{Device}4: B6.45 J3.39
/~{Enable}_{Device}5: B6.44 J6.39
/~{Enable}_{Device}6: B6.43 J5.39
/~{Enable}_{Device}7: B6.41 J12.39
/~{Enable}_{Device}8: B6.40 J11.39
/~{Enable}_{Device}16: B6.31 J10.39
/~{Enable}_{Device}17: B6.30 J9.39
/~{Enable}_{Device}18: B6.29 J8.39
/~{Enable}_{Device}19: B6.28 J7.39
/~{Interrupt Depth}: B3.24 B5.59
/~{Interrupt}_{Device}1: B6.5 J1.38
/~{Interrupt}_{Device}2: B6.4 J2.38
/~{Interrupt}_{Device}3: B6.2 J4.38
/~{Interrupt}_{Device}4: B6.1 J3.38
/~{Interrupt}_{Device}5: B6.64 J6.38
/~{Interrupt}_{Device}6: B6.63 J5.38
/~{Interrupt}_{Device}7: B6.62 J12.38
/~{Interrupt}_{Device}8: B6.61 J11.38
/~{Interrupt}_{Device}16: B6.52 J10.38
/~{Interrupt}_{Device}17: B6.51 J9.38
/~{Interrupt}_{Device}18: B6.50 J8.38
/~{Interrupt}_{Device}19: B6.49 J7.38
/~{IRQ}: B1.43 B6.6
/~{Main Access Slot}: B10.1 B11.2 B12.13
/~{Main}: B3.48 B10.2 B11.3
/~{NMI Rate Select}: B3.32 B13.7
/~{NMI State}: B3.33 B14.23
/~{NMI}: B1.41 B14.32
/~{PHI2}: B2.24 B5.5
/~{RAM_{CS}}: B3.52 B9.15
/~{RD}: B1.61 B5.58 B6.26 B9.18 B10.4 B11.4 B13.3 B14.2 J1.4 J2.4 J3.4 J4.4 J5.4 J6.4 J7.4 J8.4 J9.4 J10.4 J11.4 J12.4
/~{Reset}: B1.40 B2.8 B3.57 B7.40 B12.7 B13.2 B14.4
/~{Reset}_{Device}1: B7.1 J1.3
/~{Reset}_{Device}2: B7.2 J2.3
/~{Reset}_{Device}3: B7.4 J4.3
/~{Reset}_{Device}4: B7.36 J3.3
/~{Reset}_{Device}5: B7.37 J6.3
/~{Reset}_{Device}6: B7.38 J5.3
/~{Reset}_{Device}7: B7.39 J12.3
/~{Reset}_{Device}8: B7.5 J11.3
/~{Reset}_{Device}16: B7.30 J10.3
/~{Reset}_{Device}17: B7.29 J9.3
/~{Reset}_{Device}18: B7.28 J8.3
/~{Reset}_{Device}19: B7.26 J7.3
/~{ROM_{CS}}: B3.51 B9.16
/~{Select}_{Device}1: B3.1 J1.2
/~{Select}_{Device}2: B3.2 J2.2
/~{Select}_{Device}3: B3.4 J4.2
/~{Select}_{Device}4: B3.5 J3.2
/~{Select}_{Device}5: B3.6 J6.2
/~{Select}_{Device}6: B3.7 J5.2
/~{Select}_{Device}7: B3.8 J12.2
/~{Select}_{Device}8: B3.9 J11.2
/~{Select}_{Device}16: B3.18 J10.2
/~{Select}_{Device}17: B3.19 J9.2
/~{Select}_{Device}18: B3.20 J8.2
/~{Select}_{Device}19: B3.21 J7.2
/~{Set Timer}: B13.26 B14.25
/~{User Program}: B3.22 B5.60
/~{VP}: B1.31 B5.1
/~{WD}: B1.60 B5.54 B7.20 B9.17 B10.5 B11.6 B13.4 B14.3 J1.6 J2.6 J3.6 J4.6 J5.6 J6.6 J7.6 J8.6 J9.6 J10.6 J11.6 J12.6

Pads without a net: B1 22 24 25 30 32 33 54 56 58 59 62 63 64; B2 9 10 11 13 16 18 19 20 25 26 27 29 30 31; B3 11 12 13 14 15 16 17 30 34 36 37 49 50 53 54 56 62; B5 4 6 7 8 9 11 12 13 14 24 43 44 45 57 61; B6 7 8 9 27 32 33 34 36 37 38 39 53 54 56 57 58 59 60; B7 6 8 9 10 31 32 33 35; B9 35; B10 62 64; B11 16 27 29 30 31 32; B12 1 2 4 5 6 8 9 15 16 17 19 21 24 25 26 27 28 29 30 31 32 33 34 36 37 38 39 40 41 44 46 48 49 50 52 54 56 57 58 59 60 61 62 63 64; B13 18 19 20 22 23 24 25 27 29 30 31 32; B14 6 7 18 19 20 22 24; IC2 4; IC3 4

## Copper pours and planes (outline as drawn; the poured copper is in the pictures)
(no net) on Top, Bottom: -1.14,259.72 260.1,259.72 260.1,-2.03 -1.14,-2.03

## Text on the board
F.Silkscreen: 12V | ~{Select}D0 | ~{RES} | ~{RD} | GND | D7 | D6 | D5 | D4 | D3 | D2 | D1 | D0 | A16 | A15 | A14 | A13 | A12 | A11 | A10 | A9 | A8 | A7 | A6 | A5 | A4 | A3 | A2 | A1 | A0 | H2 | H1 | H0 | ~{Interrupt}D0 | ~{Enable}D0 | CLK | ~{WD} | HCP65 Single MPU Motherboard
